# KiCad board LTDM_RevC.kicad_pcb (continued)
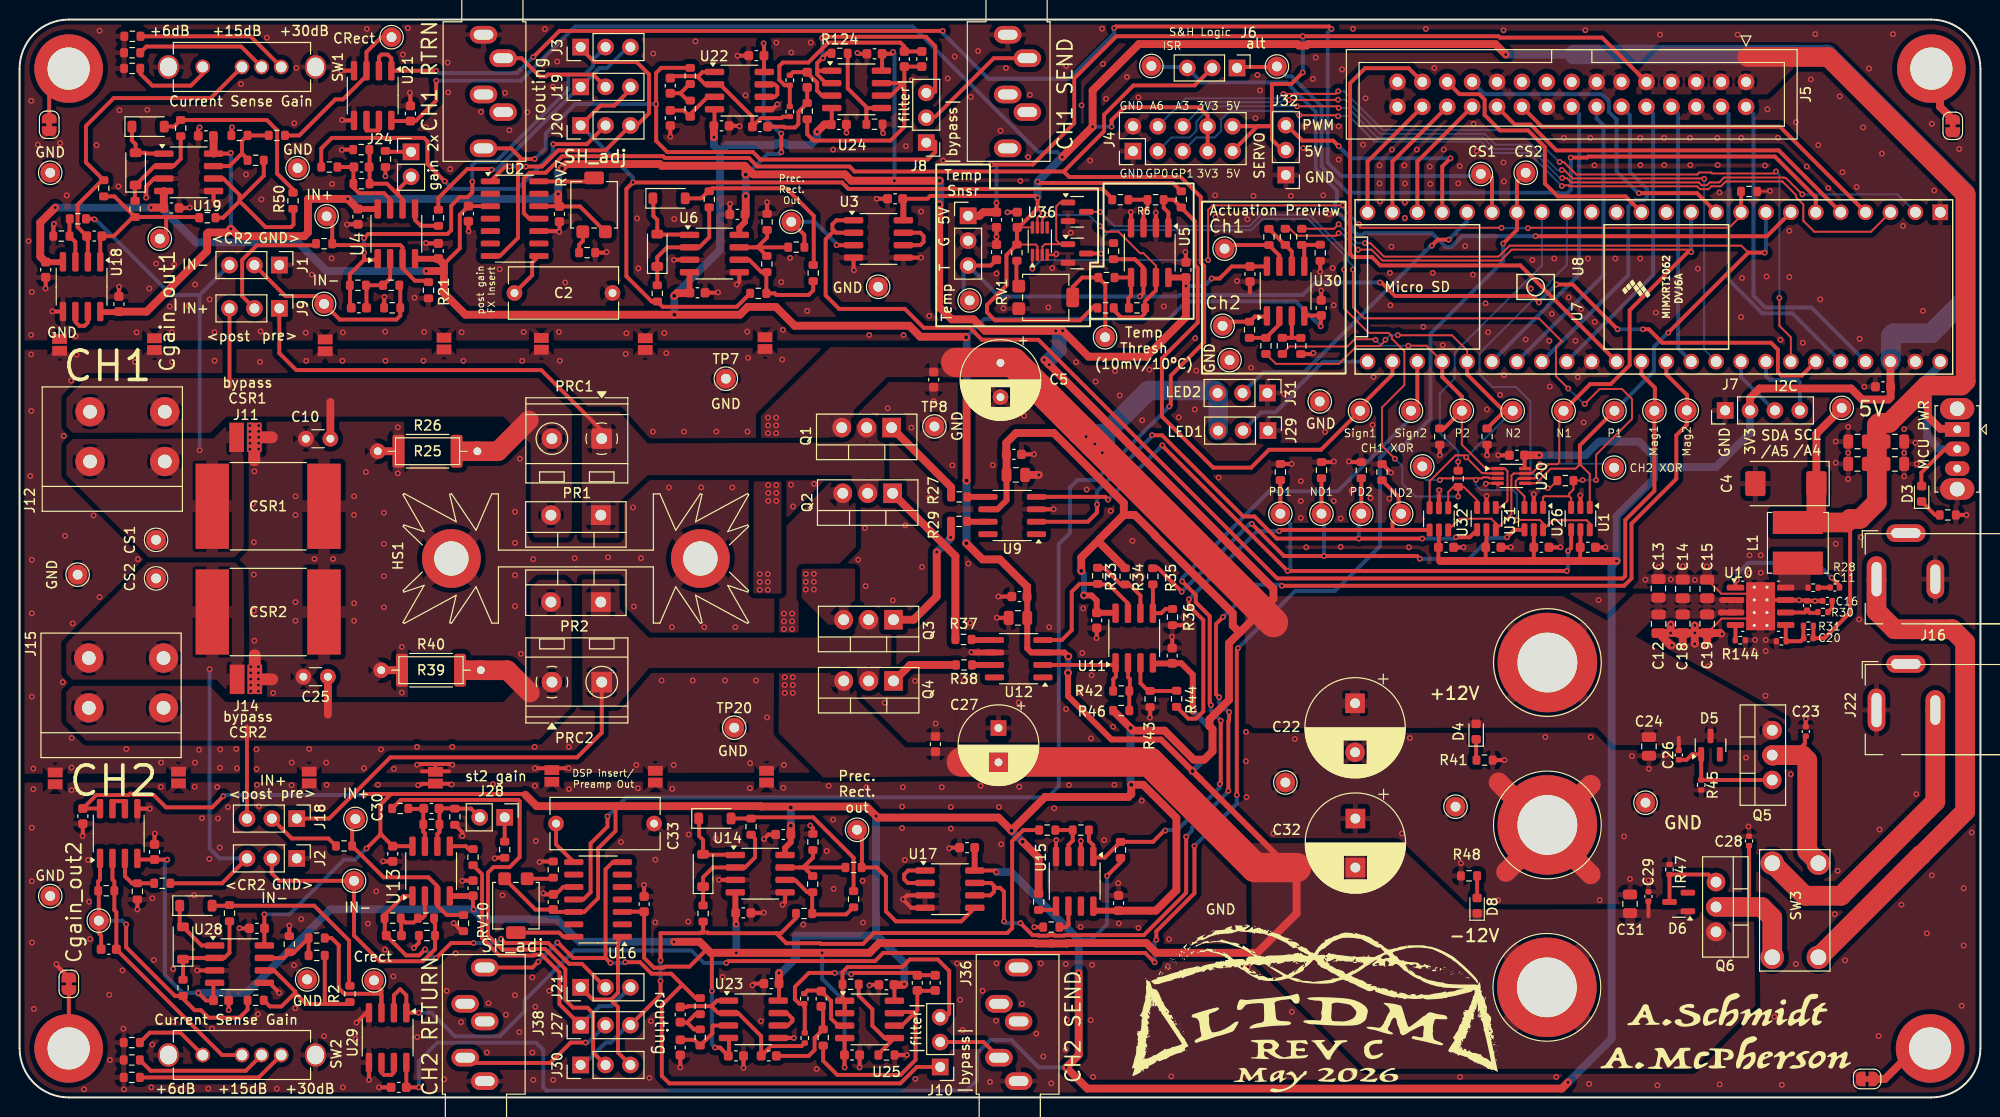
[diagram p0: board, top side]
## Routing (per net, layer and track width the routed paths; a pad name or vN(x,y) marks a point on that pad's centre or on a via; arc(x,y) is an arc through that point) (continued)
/CH1_XOR: length 26.4
  Top w0.2: 148.54,63.18 149.18,63.18 149.28,63.28 149.82,63.28 149.93,63.18 U20.3 ; 148.54,63.18 145.03,63.18 v1(144.85,63) ; 148.54,63.18 v1(148.54,63.03) ; U1.6 160.16,58.6 159.85,58.9 156.36,58.9 155.4,57.93 155.4,58.6 155.05,58.94 v1(152.73,58.94)
  Bottom w0.2: v1(152.73,58.94) 152.73,61.6 152.35,61.98 149.05,61.98 148.54,62.49 v1(148.54,63.03) ; v1(144.85,63) 143.46,63 143.08,63.38 TP39.1
/CH2_XOR: length 23.6
  Top w0.2: v1(155.06,64.63) 155.06,64.5 154.24,63.68 U20.7 152.39,63.68 152.16,63.45 152.16,59.53 U31.6 150.57,58.6 150.1,59.06 146.88,59.06 U32.6
  Bottom w0.2: TP40.1 162.23,64.68 155.12,64.68 v1(155.06,64.63)
/Preamp+Rectifier1/IN+: length 13.7
  Top w0.4: J9.2 22.7,81.78 22.7,85.46 24.2,86.97 30.07,86.97 R11.2
/Preamp+Rectifier1/IN-: length 20.5
  Top w0.4: J1.2 27.12,81.78 30.27,81.78 TP37.1 32.66,79.38 38.43,79.38 38.83,79.78 R24.2 38.83,82.79 R18.1
/Preamp+Rectifier1/rect_in: length 88.9
  Top w0.4: R20.1 73.14,80.68 65.59,80.68 R19.1 64.46,81.23 61.89,83.81 61.89,92.71 v1(62.56,93.38) 83.88,93.38 84.54,92.72 110.46,92.72 111.45,91.74 R5.1 ; J20.1 59.26,101.23 60.65,101.23 62.3,102.88 J19.3
  Bottom w0.4: J20.1 62.56,93.86 v1(62.56,93.38)
/Preamp+Rectifier1/Rect_Out: length 10.6
  Top w0.4: R12.2 80.05,88.03 TP4.1 ; U3.3 v1(83.34,86.98)
  Bottom w0.4: TP4.1 81.09,89.37 83.34,87.12 v1(83.34,86.98)
/Preamp+Rectifier1/return: length 11.8
  Top w0.4: J37.T 51.21,106.06 53.06,104.2 53.68,104.2 53.87,104.39 58.51,104.39 J19.2
/Preamp+Rectifier1/SH_in: length 31.2
  Top w0.4: J3.1 57.22,107.07 58.62,105.67 62.94,105.67 64.21,104.4 64.21,100.45 62.95,99.2 J20.3 59.76,96.66 54.94,96.66 53.29,95 v1(51.64,95) ; v1(49.99,95) 49.52,95 U2.1
  Bottom w0.4: v1(51.64,95) v1(49.99,95)
/Preamp+Rectifier1/SH_out: length 74.3
  Top w0.4: U2.7 48.99,85.88 50.83,87.71 50.83,95.38 51.21,95.77 ; J37.TN 50.12,96.86 51.21,95.77 ; R56.2 65.44,105.08 64.92,104.55 v1(64.92,101.38) 64.93,101.37 64.93,97.61 66.06,96.48 74.8,96.48 75.56,95.72 92.63,95.72 93.39,96.48 93.39,97.54 ; 51.21,95.77 v1(52.53,95.77)
  Bottom w0.4: v1(52.53,95.77) 53.67,96.91 53.67,98.38 56.67,101.38 v1(64.92,101.38)
/Preamp+Rectifier1/stage1out: length 46.3
  Top w0.4: 35.14,85.48 36.4,85.48 U4.1 ; 35.14,85.48 33.68,84.01 R17.2 33.7,82.86 33.7,80.71 C3.2 ; 35.14,85.48 35.14,86.22 v1(35.13,86.24) ; v1(46.18,93.46) 46.18,92.36 45.69,91.88 44.89,91.88 44.02,91 44.02,88.5 43.64,88.12 35.56,88.12 v1(35.13,87.69)
  Bottom w0.4: v1(46.18,93.46) 46.18,95.13 46.56,95.51 48.63,95.51 55.97,102.86 55.97,104.39 57.63,104.39 58.49,105.25 58.49,105.93 J3.2 ; v1(35.13,86.24) v1(35.13,87.69)
/Preamp+Rectifier1/stage2in: length 27.2
  Top w0.4: R8.2 42.7,90.61 42.7,91.79 45.67,94.75 48.08,94.75 v1(48.15,94.69)
  Bottom w0.4: v1(48.15,94.69) 48.65,94.69 57.1,103.14 J19.1 57.23,103.14 59.13,105.04 59.89,105.04 62.05,107.2 J3.3
/Preamp+Rectifier1/stage2out: length 38
  Top w0.4: v1(43.36,93.5) 41.6,95.26 41.6,97.57 41.25,97.93 31.85,97.93 30.77,96.85 R1.2 ; J20.2 57.86,97.29 v1(54.43,97.29)
  Bottom w0.4: v1(54.43,97.29) 54.43,96.4 50.75,92.72 44.14,92.72 v1(43.36,93.5)
/Preamp+Rectifier2/IN+: length 7.7
  Top w0.4: R58.2 31.51,26.42 27.76,26.42 J18.2
/Preamp+Rectifier2/IN-: length 28.9
  Top w0.4: J2.2 25.73,22.87 26.49,22.11 TP38.1 34.11,16.52 36.73,13.9 41.14,13.9 42.37,15.13 R75.2 42.37,17.75 42.27,17.85 R71.1
/Preamp+Rectifier2/rect_in: length 70.8
  Top w0.4: R69.1 79.19,18.29 77.66,16.76 77.18,16.76 ; R53.1 102.37,27.28 101.24,26.16 101.24,17.28 100.73,16.77 87.13,16.77 86.02,15.67 81.72,15.67 81.66,15.73 78.2,15.73 77.18,16.76 ; 69.67,16.83 69.47,16.83 69.39,16.76 65.37,16.76 v1(65.37,13.98) ; 69.67,16.83 70.17,16.83 70.24,16.76 77.18,16.76 ; 69.67,16.83 69.72,16.88 R68.1 ; 62.29,7.37 65.37,10.45 v1(65.37,11.88)
  Bottom w0.4: v1(65.37,13.98) v1(65.37,11.88) ; 62.29,7.37 62.05,7.37 60.27,5.6 59.76,5.6 57.48,3.31 J30.1
/Preamp+Rectifier2/Rect_Out: length 20.5
  Top w0.4: U17.5 96.05,17.97 89.39,17.97 88.36,18.99 88.36,22.53 87.43,23.47 R63.2 85.92,23.5 85.92,26.82 TP24.1
/Preamp+Rectifier2/return: length 16.1
  Top w0.4: v1(57.73,5.6) 56.21,5.6 54.13,3.51 45.99,3.51 J38.T
  Bottom w0.4: v1(57.73,5.6) 57.98,5.6 59.75,7.37
/Preamp+Rectifier2/SH_in: length 18.1
  Top w0.4: 57.21,11.24 58.46,9.99 60.26,9.99 ; U16.1 61.03,15.95 61.03,10.68 60.35,9.99 60.26,9.99 ; 60.26,9.99 61.03,9.22 61.03,4.58 J30.3
/Preamp+Rectifier2/SH_out: length 76.6
  Top w0.4: 67.59,11.49 65.5,9.41 65.5,2.19 66.27,1.43 89.84,1.43 91.52,3.11 J10.1 ; 67.59,11.49 66.46,12.63 64.46,12.63 63.29,13.8 v1(61.77,13.8) ; 67.59,11.49 68.94,10.14 R72.2 ; 59.76,14.23 v1(60.27,13.72) ; 59.76,14.23 56.46,14.23 54.89,15.81 v1(54.86,15.81) ; 59.76,14.23 59.76,23.27 60.5,24.01 U16.7 ; v1(52.91,13.85) 52.31,13.26 47.6,13.26 47.35,13.5 47.35,13.35 J38.TN
  Bottom w0.4: v1(61.77,13.8) 61.7,13.72 v1(60.27,13.72) ; v1(54.86,15.81) v1(52.91,13.85)
/Preamp+Rectifier2/stage1out: length 32.6
  Top w0.4: v1(49.1,16.18) 49.53,15.76 53.92,15.76 56.05,13.63 57.35,13.63 59.75,11.24 ; v1(41.36,15.11) 40.75,14.5 39.42,14.5 37.15,16.77 37.15,16.79 37.25,16.9 37.25,17.83 37.22,17.85 R70.2 37.22,18.63 39.16,20.56 U13.1 ; v1(46.3,15.76) 44.02,15.76 v1(42.49,14.23)
  Bottom w0.4: v1(42.49,14.23) 42.24,14.23 v1(41.36,15.11) ; v1(49.1,16.18) 49.1,16.16 48.7,15.76 v1(46.3,15.76)
/Preamp+Rectifier2/stage2in: length 30.2
  Top w0.4: 57.21,7.37 55.07,9.52 55.07,12.75 53.26,14.56 52.55,14.56 52.48,14.49 48.94,14.49 47.17,16.26 47.17,22.77 R59.2
  Bottom w0.4: 62.29,11.24 60.36,9.32 59.16,9.32 57.21,7.37
/Preamp+Rectifier2/stage2out: length 51.1
  Top w0.4: R49.2 38.87,30.36 50.87,30.36 51,30.23 51,24.52 49.99,23.5 48.33,23.5 47.77,22.94 47.77,16.52 49.21,15.09 52.23,15.09 52.3,15.16 53.59,15.16 55.67,13.08 55.67,9.95 56.46,9.15 57.93,9.15 58.5,8.58 58.5,4.58 J30.2
/String_Drivers_GD1/N_IN1: length 52.5
  Top w0.4: v1(125.68,58.54) 128.97,55.25 v1(133.04,55.25) 142.54,55.25 v1(142.82,54.97) ; R35.1 116.14,54.01 v1(118.54,51.61) ; R133.2 TP42.1 ; U26.4 152.49,57.93 v1(151.71,57.16)
  Bottom w0.4: v1(133.04,55.25) 133.04,59.32 TP42.1 ; v1(125.68,58.54) 125.48,58.54 v1(118.54,51.61) ; v1(142.82,54.97) 147.85,54.97 149.98,57.11 151.66,57.11 v1(151.71,57.16)
/String_Drivers_GD1/N_IN2: length 49.3
  Top w0.4: 140.03,57.92 140.03,58.68 TP44.1 140.66,59.83 140.66,61.29 R135.2 ; 140.03,57.92 128.6,57.92 v1(128.47,57.79) ; 140.03,57.92 143.8,57.92 U32.4 ; v1(119.26,50.83) 119.26,50.18 120.74,48.71 120.74,39.4 120,38.66 119.22,38.66 R44.1
  Bottom w0.4: v1(119.26,50.83) 126.23,57.79 v1(128.47,57.79)
/String_Drivers_GD1/P_IN1: length 76.1
  Top w0.4: R132.2 TP41.1 ; v1(157.94,55.76) 158.26,56.08 U1.4 ; U9.4 110.73,61.29 v1(111.02,61.01) ; v1(157.81,53.73) v1(129.33,53.73) 116.56,66.51 v1(116.56,66.55)
  Bottom w0.4: v1(157.94,55.76) 157.94,53.86 v1(157.81,53.73) ; v1(111.02,61.01) v1(116.56,66.55) ; v1(116.56,66.55) 116.56,66.55 ; v1(116.56,66.55) 116.56,66.56 ; TP41.1 129.61,58.56 129.61,54.01 v1(129.33,53.73)
/String_Drivers_GD1/P_IN2: length 60.9
  Top w0.4: v1(143.08,57.03) v1(136.6,57.03) 128.22,57.03 125.96,59.29 124.81,59.29 116.53,67.58 v1(115.51,67.58) ; U31.4 147.9,57.17 v1(146.51,57.17) ; U9.2 108.96,58.75 109.9,59.7 v1(109.9,60.51) ; R134.2 TP43.1
  Bottom w0.4: v1(115.51,67.58) 115.51,67.48 109.9,61.87 v1(109.9,60.51) ; TP43.1 136.85,59.19 136.6,58.94 v1(136.6,57.03) ; v1(146.51,57.17) 146.37,57.03 v1(143.08,57.03)
AnalogRead: length 26.8
  Bottom w0.4: J5.8 169.17,100.41 169.17,76.43 U8.38
AS0: length 30
  Bottom w0.4: J5.16 159.08,100.34 159.08,83.99 U8.30
AS1: length 29.9
  Bottom w0.4: J5.14 160.86,99.9 161.55,99.21 161.55,83.92 U8.31
AS2: length 32.1
  Bottom w0.4: J5.12 164.25,100.25 164.25,94.46 165.97,92.73 165.97,91.85 165.7,91.58 164.75,91.58 164.09,90.92 164.09,83.92 U8.32
AS3: length 29.9
  Bottom w0.4: U8.33 166.63,83.92 166.63,100.41 J5.10
CH1_Enable: length 37.4
  Top w0.2: R141.2 156.08,62.19 v1(155.88,62.19)
  Bottom w0.2: U7.16 157.81,84.95 156.09,83.23 156.09,83.13 148.92,75.95 148.92,73.82 150.24,72.5 152.63,72.5 154.1,71.03 154.1,63.97 v1(155.88,62.19)
CH1_Enable_GATE: length 90.5
  Top w0.2: 158.06,61.35 158.26,61.16 U1.3 ; 158.06,61.35 155.52,61.35 155.4,61.22 155.4,60.21 ; 158.06,61.35 158.06,61.63 158.49,62.06 R141.1 159.38,62.95 v1(159.43,63) ; v1(159.64,70.77) 161.16,72.3 163.45,72.3 164.46,71.28 164.46,69.25 160.81,65.59 v1(160.81,63) ; v1(157.96,72.35) 156.71,73.6 156.71,76.58 157.3,77.17 154.96,79.51 137.13,79.51 136,80.64 v1(136,84.49) ; v1(110.21,90.38) Q16.3
  Bottom w0.2: v1(110.21,90.38) 111.68,88.91 125.44,88.91 126.61,90.08 131.55,90.08 135.5,86.13 135.5,85.37 136,84.86 v1(136,84.49) ; v1(159.43,63) v1(160.81,63) ; v1(157.96,72.35) 159.54,70.77 v1(159.64,70.77)
CH2_Enable: length 31.5
  Top w0.2: v1(146.73,64.88) R140.2
  Bottom w0.2: U7.17 155.27,84.9 146.38,76.01 146.38,73.36 144.85,71.84 144.85,67.83 146.73,65.95 v1(146.73,64.88)
CH2_Enable_GATE: length 72.3
  Top w0.2: R140.1 147.29,62.32 148.67,60.94 U31.3 ; R140.1 v1(146.73,61.32) ; R140.1 146.25,62.32 145.72,61.78 U32.1 ; v1(135.1,84.49) 135.1,80.53 137.6,78.03 139.63,78.03 139.97,77.69 139.97,77.44 141.25,76.16 141.25,72.7 138.96,70.42 138.96,66.51 v1(140.28,65.18)
  Top w0.4: Q15.3 110.3,86.13 v1(110.31,86.11)
  Bottom w0.2: v1(140.28,65.18) 141.04,64.42 141.04,62.64 142.36,61.32 v1(146.73,61.32) ; v1(135.1,84.49) 135.1,85.96 131.39,89.68 126.78,89.68 125.6,88.5 111.28,88.5 110.31,87.54 v1(110.31,86.11)
CSR1: length 35
  Top w0.4: v1(7.64,89.61) 7.58,89.67 R90.2
  Bottom w0.4: 18.36,81.9 J1.3 ; 18.36,81.9 15.47,81.9 7.76,89.61 v1(7.64,89.61) ; 18.36,81.9 v1(18.36,66.05)
CSR2: length 31.4
  Top w0.4: J2.3 20.65,21.85 R91.2
  Bottom w0.4: J2.3 20.39,24.39 19.38,25.41 v1(19.38,43.7)
CurrSense1: length 141.7
  Top w0.4: v1(111.65,109.14) 111.8,109.29 133.57,109.29 v1(133.81,109.05) ; U21.2 36.65,106.18 36.9,106.43 37.54,106.43 37.92,106.05 U21.1 v1(42.49,104.78) ; v1(52.4,106.18) 55.07,108.85 v1(94.16,108.85) ; TP35.1 149.81,94.24 150.19,93.86 U7.19
  Bottom w0.4: v1(42.49,104.78) 42.75,104.53 50.75,104.53 v1(52.4,106.18) ; v1(133.81,109.05) 133.42,108.67 133.42,95.39 134.77,94.04 148.84,94.04 TP35.1 ; v1(94.16,108.85) 94.16,108.62 98.81,103.96 107.02,103.96 111.65,108.58 v1(111.65,109.14)
CurrSense2: length 187.6
  Top w0.4: v1(72.08,13.72) 72.27,13.91 87.25,13.91 88.09,14.74 114.82,14.74 v1(115.77,13.79) ; U29.2 38.17,10.42 38.81,11.06 39.44,10.42 U29.1 40.71,8.64 v1(40.71,8.64) ; v1(151.33,87.14) 152.73,88.54 U7.18 152.73,93.48 TP36.1 ; v1(124.28,45.86) 124.15,45.73 v1(124.15,30.87) ; v1(119.84,25.66) 119.84,20.84 115.95,16.95 v1(115.95,16.08)
  Bottom w0.4: v1(115.77,13.79) 115.77,15.91 v1(115.95,16.08) ; v1(124.28,45.86) 130.12,51.7 134.19,51.7 138.77,56.28 138.77,65.3 139.77,66.3 140.92,66.3 143.91,69.29 143.91,77.93 151.33,85.35 v1(151.33,87.14) ; v1(40.71,8.64) 41.98,8.64 44.4,6.23 48.97,6.23 51.51,8.77 51.51,9.91 56.59,14.99 68.53,14.99 69.8,13.72 v1(72.08,13.72) ; v1(119.84,25.66) 124.15,29.98 v1(124.15,30.87)
DigitalRead: length 39.5
  Top w0.4: J5.20 155.27,99.07 179.56,99.07 U7.4
Drive1_Preview: length 7.3
  Top w0.4: TP48.1 123.28,86.99 R142.1 128.5,85.93 U30.7
Drive2_Preview: length 4.9
  Top w0.4: TP47.1 123.12,79.17 R22.1 125.47,79.17 126.01,79.7 127.17,79.7 U30.1
DS0: length 13.1
  Top w0.4: J5.28 137.49,95.51 U7.24
DS1: length 13.1
  Top w0.4: J5.26 140.03,95.51 U7.23
DS2: length 13.1
  Top w0.4: J5.24 142.57,95.51 U7.22
DS3: length 39.5
  Top w0.4: J5.22 152.51,99.29 154.12,99.29 156.75,96.66 179.43,96.66 U7.5
FP1: length 32.8
  Bottom w0.4: U8.44 180.83,80.02 177.77,80.02 174.32,83.47 174.32,100.34 J5.4
FP2: length 33.8
  Bottom w0.4: U8.45 182.77,80.62 178.04,80.62 176.86,81.8 176.86,100.34 J5.2
GPIO0: length 84.9
  Top w0.2: v1(130.31,101.15) 134.38,101.15 v1(134.55,100.98) ; v1(157.35,93.84) 157.8,93.84 158.25,93.39 171.27,93.39 171.56,93.09 172.1,93.09 172.39,93.39 173.36,93.39 173.85,93.88 179.97,93.88 180.01,93.84 180.16,93.84 v1(181.84,92.16)
  Bottom w0.2: v1(130.31,101.15) 121.59,101.15 120.03,99.6 120.03,98.64 119.36,97.97 117.49,97.97 J4.3 ; v1(181.84,92.16) 191.54,92.16 U7.2 ; 157.35,93.77 157.15,93.77 154.14,96.78 150.43,96.78 149.27,97.94 138.51,97.94 135.47,100.98 v1(134.55,100.98)
  Bottom w0.4: 157.35,93.77 v1(157.35,93.84)
GPIO1: length 82.3
  Top w0.2: v1(130.53,100.24) 134.39,100.24 v1(134.49,100.14) ; v1(157.3,93.02) 157.36,93.09 157.98,93.09 158.09,92.99 171.11,92.99 171.4,92.69 172.27,92.69 172.56,92.99 173.53,92.99 174.02,93.48 179.8,93.48 181.19,92.1 181.19,91.89 181.94,91.14 181.94,89.47 183.06,88.35 188.84,88.35 U7.3
  Bottom w0.2: J4.5 120.03,97.97 121.9,97.97 122.57,98.64 122.57,99.8 123.47,100.69 129.92,100.69 130.38,100.24 v1(130.53,100.24) ; v1(157.3,93.02) 153.95,96.38 150.27,96.38 149.1,97.54 138.2,97.54 135.61,100.14 v1(134.49,100.14)
GPIO17/A3: length 76.8
  Top w0.2: v1(157.3,94.65) 157.55,94.65 158.42,93.79 171.79,93.79 v1(171.83,93.74) ; v1(129.46,101.8) 134.45,101.8 v1(134.48,101.83)
  Bottom w0.2: v1(134.48,101.83) 135.28,101.83 138.77,98.34 149.43,98.34 150.54,97.24 154.26,97.24 156.84,94.65 v1(157.3,94.65) ; U8.39 171.83,76.31 v1(171.83,93.74) ; v1(129.46,101.8) 129.37,101.71 128.76,101.71 128.61,101.56 121.09,101.56 J4.6
GPIO20/A6: length 88.3
  Top w0.2: v1(157.08,95.47) 157.49,95.47 158.77,94.19 171.12,94.19 171.32,94.39 172.54,94.39 172.64,94.29 178.94,94.29 v1(179.14,94.5) ; v1(179.5,81.59) 179.5,78.75 180.67,77.58 U8.42 ; v1(134.49,102.68) 134.23,102.42 v1(128.9,102.42)
  Bottom w0.2: v1(134.49,102.68) 135.1,102.68 139.03,98.74 149.6,98.74 149.63,98.71 153.79,98.71 157.04,95.47 v1(157.08,95.47) ; v1(179.5,81.59) 179.5,94.14 v1(179.14,94.5) ; v1(128.9,102.42) 128.45,101.96 118.95,101.96 J4.4
LED_1: length 15.8
  Bottom w0.4: U8.25 132.97,75.1 130.02,72.14 130.02,71.84 128.09,69.91 126.64,69.91 J29.2
LED_2: length 31.1
  Top w0.4: v1(144.04,86.93) 144.65,87.54 v1(145.77,87.54)
  Bottom w0.4: U7.20 147.65,89.42 v1(145.77,87.54) ; v1(144.04,86.93) 143.95,86.93 131.04,74.01 126.86,74.01 J31.2
MagIn1: length 129.4
  Top w0.4: 83.1,88.42 82.91,88.61 82.91,89.11 83.31,89.52 U3.1 ; 83.1,88.42 83.27,88.25 U3.2 ; 83.1,88.42 83.05,88.42 82.22,87.59 82.22,81.85 83.59,80.48 90.29,80.48 92.23,78.55 96.94,78.55 98.16,77.33 103.91,77.33 128.27,52.97 163.52,52.97 163.78,53.22 163.78,58.94 166.75,61.91 TP16.1 166.8,70.13 166.8,72.42 165.43,73.8 U8.36
MagIn2: length 129.7
  Top w0.4: U17.7 99.1,21.89 99.39,21.59 99.39,21.39 ; v1(128.75,52.22) 163.66,52.22 164.41,52.97 164.41,58.56 168.98,63.13 168.98,67.57 170.05,68.64 TP9.1 170.07,70.11 170.08,70.13 170.08,71.68 167.97,73.8 U8.37 ; v1(102.09,17.79) 103.32,16.56 103.9,16.56 103.95,16.51 104.86,16.51 104.91,16.56 105.55,16.56 105.6,16.51 106.51,16.51 106.56,16.56 114.67,16.56 118.98,20.87 118.98,21.08 118.99,21.09 v1(118.99,26.61) ; 99.39,21.39 100.01,21.39 100.4,21.01 v1(100.4,17.97) ; 99.39,21.39 99.39,20.99 99.02,20.62 U17.6 ; v1(122.76,49.03) 122.04,48.31 122.04,41.16 v1(122.35,40.84) ; v1(123.29,31.28) 123.29,38.36 123.36,38.43 123.36,39.31 v1(123.38,39.32)
  Bottom w0.4: v1(128.75,52.22) 128.63,52.33 126.06,52.33 v1(122.76,49.03) ; v1(100.4,17.97) 100.57,17.79 v1(102.09,17.79) ; v1(118.99,26.61) 119.59,27.21 119.59,27.53 123.29,31.23 v1(123.29,31.28) ; v1(123.38,39.32) 123.33,39.32 122.35,40.29 v1(122.35,40.84)
MOSI: length 28.4
  Top w0.4: U7.13 163.81,91.96 156.89,91.96 155.57,93.28 155.57,96.99 153.87,98.69 151.01,98.69 149.43,100.27 149.43,101.83 148.88,102.39 146.87,102.39 J5.25
N_Drive1: length 84.5
  Top w0.2: v1(170.51,86.28) 170.51,86.51 170.5,86.52 152.19,86.52 151.08,85.41 139,85.41 137.89,86.52 v1(136.52,86.52) ; v1(134.54,88.2) 134.29,87.94 130.29,87.94 129.58,88.65 R55.2 ; U26.3 153.5,61.34 152.6,62.24 152.6,62.89 152.89,63.18 U20.6 154.53,63.18 155.98,64.63 156.84,64.63 157.05,64.83 157.05,69.64 TP14.1
  Top w0.4: v1(170.51,86.28) 170.16,86.28 164.23,80.34 164.23,74.74 162.29,72.8 160.2,72.8 TP14.1
  Bottom w0.2: v1(136.52,86.52) 134.78,88.26 134.61,88.26 v1(134.54,88.2)
  Bottom w0.4: v1(170.51,86.28) U7.11
N_Drive2: length 53.1
  Top w0.2: U32.3 143.82,62.88 146.46,65.53 147.35,65.53 v1(147.56,65.32) 149.17,63.71 149.58,63.71 149.61,63.68 149.99,63.68 149.99,63.68 U20.2 ; v1(140.58,77.8) 140.6,77.78 146.09,77.78 147.65,76.23 U8.29 ; R16.2 128.14,74.87 134.57,74.87 136.38,76.68 138.72,76.68 139.32,77.28 v1(139.32,77.33)
  Top w0.4: R131.2 151.49,70.08 TP13.1 151.36,70.08 147.65,73.8 U8.29
  Bottom w0.2: v1(140.58,77.8) 139.79,77.8 v1(139.32,77.33) ; v1(147.56,65.32) 148.41,66.18 148.41,66.19 TP13.1
P_Drive1: length 93.7
  Top w0.2: U1.1 160.16,63.62 159.15,64.63 159.15,64.59 158.72,64.17 156.18,64.17 154.69,62.68 U20.5 ; R61.2 134.08,88.65 v1(134.54,89.11) ; v1(137.23,87.18) 137.79,87.18 139.16,85.81 150.86,85.81 151.98,86.93 175.61,86.93 176.32,86.22
  Top w0.4: 178.06,90.4 U7.8 ; 159.15,64.63 159.15,66.55 TP15.1 ; v1(168.16,78.05) 176.32,86.22 v1(178,86.22)
  Bottom w0.2: v1(134.54,89.11) 136.47,87.18 v1(137.23,87.18)
  Bottom w0.4: v1(168.16,78.05) 166.7,76.59 166.7,74.1 TP15.1 ; v1(178,86.22) 178.13,86.34 U7.8
P_Drive2: length 40.5
  Top w0.2: R10.2 128.8,75.9 129.54,76.64 135.43,76.64 136.17,77.38 138.25,77.38 v1(138.3,77.33) ; TP12.1 147.11,66.62 149.55,64.18 U20.1 151.5,64.18 151.76,63.91 151.76,60.89 151.08,60.21 U31.1 ; U8.28 143.49,76.72 v1(141.65,76.72)
  Top w0.4: R130.2 144.92,68.21 145.24,68.21 TP12.1 147.11,71.54 145.11,73.54 U8.28
  Bottom w0.2: v1(141.65,76.72) 138.91,76.72 v1(138.3,77.33)
post_resistor1: length 20.4
  Top w0.2: 45.03,65.95 R26.2
  Top w0.4: J9.3 21.41,72.53
  Top w0.8: C10.1 31.7,70.97
  Top w2: 45.03,65.95 R25.2 48.79,65.95 51.94,69.1
post_resistor2: length 21.4
  Top w0.2: 45.39,43.6 R40.2
  Top w0.4: J18.3 23.19,37.85
  Top w0.8: C25.1 31.44,39.06
  Top w2: 45.39,43.59 45.39,43.6 R39.2 47.05,43.59 49.76,43.59 52.04,41.31
pre_resistor1: length 41.6
  Top w0.4: J9.1 26.49,75.95 28.22,74.23 53.21,74.23 59.38,68.06 PRC1.1
pre_resistor2: length 39.9
  Top w0.4: J18.1 31.57,28.46 37.82,34.7 56.87,34.7 59.38,37.21 PRC2.2
sample: length 222.8
  Top w0.4: 106.5,94.5 107.06,93.94 118.44,93.94 120.48,91.89 120.48,85.19 120.83,84.85 120.83,77.07 117.42,73.67 117.42,70.67 v1(117.27,70.52) ; 106.5,94.5 110.61,98.61 110.61,100.29 113.61,103.28 119.86,103.28 J6.2 ; 106.5,94.5 85.16,94.5 84.66,95 75.26,95 74.38,95.88 65.81,95.88 65.63,96.06 60.02,96.06 60.01,96.06 55.35,96.06 53.67,94.37 52.02,94.37 51.43,93.78 51.43,90.25 51.99,89.69 U2.11 ; v1(59.96,28.68) 59.96,27.64 58.24,25.92 58.24,20.94 57.5,20.2 U16.11
  Bottom w0.4: v1(117.27,70.52) 109.75,63 107.9,63 107.14,62.24 107.14,57.6 105.99,56.46 105.99,31.76 104.85,30.62 61.9,30.62 v1(59.96,28.68)
SCK: length 57.7
  Top w0.4: U8.35 153.07,84.91 138.79,84.91 137.94,85.76 136.01,85.76 135.71,86.06 135.71,103.51 137.23,105.04 141.68,105.04 J5.27
sense_alt: length 75.3
  Top w0.4: U7.6 183.21,91.85 179.04,96.02 159.99,96.02 159.89,95.92 v1(158.21,95.92) ; J6.1 124.28,105.16 127.89,105.16 128.24,104.81 TP2.1
  Bottom w0.4: v1(158.21,95.92) 158.21,92.62 157.87,92.27 156.99,92.27 156.93,92.34 135.48,92.34 132.8,95.01 132.8,101.15 129.74,104.22 129.24,104.22 TP2.1
sense_isr: length 79.5
  Top w0.4: v1(154.62,87.89) 178.22,87.89 U7.7
  Bottom w0.4: TP1.1 115.54,105.16 119,105.16 J6.3 120.57,103.59 129.21,103.59 132.2,100.59 132.2,94.77 132.2,94.75 133.03,93.92 133.03,93.87 134.39,92.52 134.39,91.54 134.2,91.35 134.2,90.57 135.98,88.79 135.98,88.5 136.42,88.06 137.04,88.06 137.18,88.2 144.05,88.2 145.46,86.79 146.02,86.79 147.13,87.89 v1(154.62,87.89)
SERVO: length 24
  Top w0.4: v1(145.95,95.84) 145.11,95 U7.21 ; J32.3 129.26,99.22 130.83,97.65 133.98,97.65 v1(134.54,97.09)
  Bottom w0.4: v1(134.54,97.09) 135.79,95.84 v1(145.95,95.84)
SignIn1: length 60
  Top w0.4: R6.2 116.7,90.79 117.18,90.31 U5.1 ; R6.2 116.62,91.69 ; R6.2 117.7,91.62 R15.1 118.49,90.81 119.88,89.42 119.88,84.95 120.17,84.66 120.17,79.08 116.51,75.43 116.51,69.5 121.74,64.27 125.61,64.27 127.44,66.1 132.75,66.1 TP10.1 136.73,70.48 140.03,73.78 U8.26
SignIn2: length 77.9
  Top w0.4: TP11.1 142.57,70.73 U8.27 ; v1(116.86,27.24) 116.76,27.24 115.61,26.08 R67.1 110.69,24.48 109.63,24.48 U15.1 109.52,24.6 109.52,25.73 109.07,26.18 R54.2 ; v1(122.41,31.98) 122.51,32.08 v1(122.51,38.46) ; v1(121.51,40.03) 121.39,40.16 121.39,49.12 119.97,50.54 119.97,51.28 v1(118.59,52.66)
  Bottom w0.4: v1(122.41,31.98) 122.41,31.63 118.86,28.08 118.86,28.07 118.08,27.29 116.91,27.29 v1(116.86,27.24) ; v1(118.59,52.66) 118.59,52.99 127.46,61.86 134.44,61.86 141.92,69.33 TP11.1 ; v1(122.51,38.46) 121.51,39.46 v1(121.51,40.03)
Temp_Fault: length 9.7
  Top w0.2: U36.3 104.31,86.82 104.57,87.08 Q15.1 106.15,87.08 105.74,87.49 105.74,90.94 106.13,91.33 Q16.1
Temp_Out: length 109.4
  Top w0.4: U8.43 181.78,73.67 179.7,73.67 179.35,74.02 179.35,76.31 178.64,77.02 167.56,77.02 166.19,78.39 v1(165.58,78.39) ; J23.3 99.05,84.9 CU51.1 ; v1(162.99,78.39) 158.42,82.96 v1(156.74,82.96) ; v1(114.27,81.75) 114.64,82.11 U5.6 114.64,84.67 113.76,85.54 R7.2 ; v1(154.96,81.14) 154.3,81.8 140.28,81.8 138.91,83.17 v1(138.76,83.17)
  Bottom w0.4: v1(162.99,78.39) v1(165.58,78.39) ; v1(138.76,83.17) 132.15,83.17 130.88,81.9 118.34,81.9 118.18,81.75 v1(114.27,81.75) 99.9,81.75 J23.3 96.29,84.44 96.29,81.95 TP46.1 ; v1(156.74,82.96) 154.96,81.19 v1(154.96,81.14)
Temp_Reset: length 83.8
  Top w0.2: v1(134.95,91.04) 121.69,91.04 121.23,90.58 v1(121.23,85.45) ; U7.9 175.59,89.98 174.37,88.76 153.9,88.76 v1(153.85,88.71) ; U36.1 103.3,85.97 v1(103.3,84.59) ; v1(136.62,89.11) 136.73,89.01 136.73,88.76 v1(151.15,88.76)
  Top w0.4: 175.59,92.6 U7.9
  Bottom w0.2: v1(121.23,85.45) 104.16,85.45 v1(103.3,84.59) ; v1(153.85,88.71) 151.2,88.71 v1(151.15,88.76) ; v1(134.95,91.04) 134.95,90.79 v1(136.62,89.11)
Temp_Thresh: length 10.5
  Top w0.4: RV1.2 107.41,82.71 108.38,83.68 R137.1 110.74,82.96 110.74,77.61 TP45.1
~{LAT}: length 34.1
  Top w0.4: v1(165.17,92.29) 171.1,92.29 U7.10
  Bottom w0.4: v1(165.17,92.29) 165.1,92.29 162.89,94.5 162.89,99.8 162.11,100.58 162.11,101.62 161.34,102.39 149.41,102.39 J5.23
Net-(C1-Pad2): length 9
  Top w0.4: U4.7 37.79,91.66 37.17,92.29 34.62,92.29 34.05,92.86 R3.2 34.05,94.9 C1.2 R1.1
Net-(C11-Pad1): length 1.2
  Top w0.4: R28.2 184.66,52.03 C11.1
Net-(C16-Pad1): length 1.3
  Top w0.4: R30.2 184.88,49.96 C16.1
Net-(C30-Pad2): length 5.6
  Top w0.4: U13.7 41.34,26.96 41.17,27.13 R51.2 41.17,29.29 41.22,29.34 C30.2 41.17,29.44 39.7,29.44 R49.1
Net-(C35-Pad2): length 20
  Top w0.4: R105.1 11.55,89.85 9.61,87.91 C35.2 ; R105.1 14.93,89.85 ; R105.1 9.67,91.96 R95.2 ; TP31.1 14.95,88.29 14.95,89.84 14.93,89.85 ; 8.4,87.89 C35.2 ; C35.2 8.39,87.65 8.23,87.49 U18.1 ; 14.93,89.85 17.93,89.85 17.99,89.78 R107.1
Net-(C36-Pad2): length 31.6
  Top w0.4: U27.1 8.2,22.23 8.01,22.04 R96.2 8.01,20.9 8.08,20.84 TP32.1 8.08,16.76 8.32,16.52 C36.2 ; R108.1 23.25,8.96 22.43,8.14 19.26,8.14 18.5,8.9 17.85,8.9 16.67,10.09 R106.1 15.83,10.36 10.87,15.32 v1(10.87,17.66)
  Bottom w0.4: TP32.1 10.49,18.04 v1(10.87,17.66)
Net-(C37-Pad2): length 3.7
  Top w0.4: R56.1 68.21,103.23 68.15,103.23 67.4,102.48 ; R94.2 68.15,101.73 67.4,102.48 ; C37.2 67.4,102.48
Net-(C38-Pad2): length 4
  Top w0.4: C38.2 67.42,7.64 68.08,7.64 ; R72.1 68.93,8.49 68.08,7.64 ; 68.08,7.64 68.78,6.94 R117.2
Net-(C41-Pad1): length 21.1
  Top w0.4: R118.1 R119.2 78.04,103.3 77.49,103.84 77.49,105.27 77.85,105.62 80.45,105.62 82.47,107.65 89.84,107.65 90.24,107.25 C48.1 C41.1
Net-(C42-Pad1): length 20.6
  Top w0.4: R120.1 80.08,9.15 80.03,9.2 R121.2 80.02,9.56 79.54,9.56 79.08,10.02 79.08,11.28 80.51,12.71 v1(83.15,12.71) ; v1(84.82,12.56) 84.97,12.71 91.32,12.71 C42.1 C49.1
  Bottom w0.4: v1(84.82,12.56) 84.67,12.71 v1(83.15,12.71)
Net-(C43-Pad1): length 7.4
  Top w0.4: 80.34,103.02 R122.1 79.44,100.58 79.44,99.34 79.09,98.99 78.03,98.99 77.95,99.07 C43.1
Net-(C44-Pad1): length 9.1
  Top w0.4: 81.76,9.3 C46.2 81.96,9.09 R123.1 81.09,6.07 81.09,4.84 80.49,4.24 C44.1 77.19,4.24
Net-(D1-A): length 19.7
  Top w0.4: R103.1 81,85.01 81,89.98 78.19,92.78 70.64,92.78 R4.2 70.24,92.48 69.52,91.76 D1.2
Net-(D1-K): length 7.2
  Top w0.4: U6.1 68.3,88.06 65.09,88.06 D2.2 65.04,89.56 64.64,89.96 64.64,91.71 D1.1
Net-(D2-K): length 12.1
  Top w0.4: R4.1 70.34,87.78 69.32,86.76 U6.2 66.04,86.76 65.04,85.76 D2.1 R19.2
Net-(D3-K): length 2.4
  Top w0.4: D3.1 195.37,59.44 R23.2
Net-(D4-K): length 2.1
  Top w0.4: D4.1 148.57,34.54 148.57,34.43
Net-(D5-A): length 12.4
  Top w0.4: C26.2 170.03,34.45 170.59,35.01 D5.1 171.52,34.19 171.52,34.19 R45.1 171.53,32.39 Q5.1
Net-(D6-K): length 7.9
  Top w0.4: D6.3 168.29,22.66 168.29,22.67 R47.2 172.27,22.75 Q6.1
